# Altium PCB Pleiades_PP.PcbDoc (part 14 of 15) (continued)
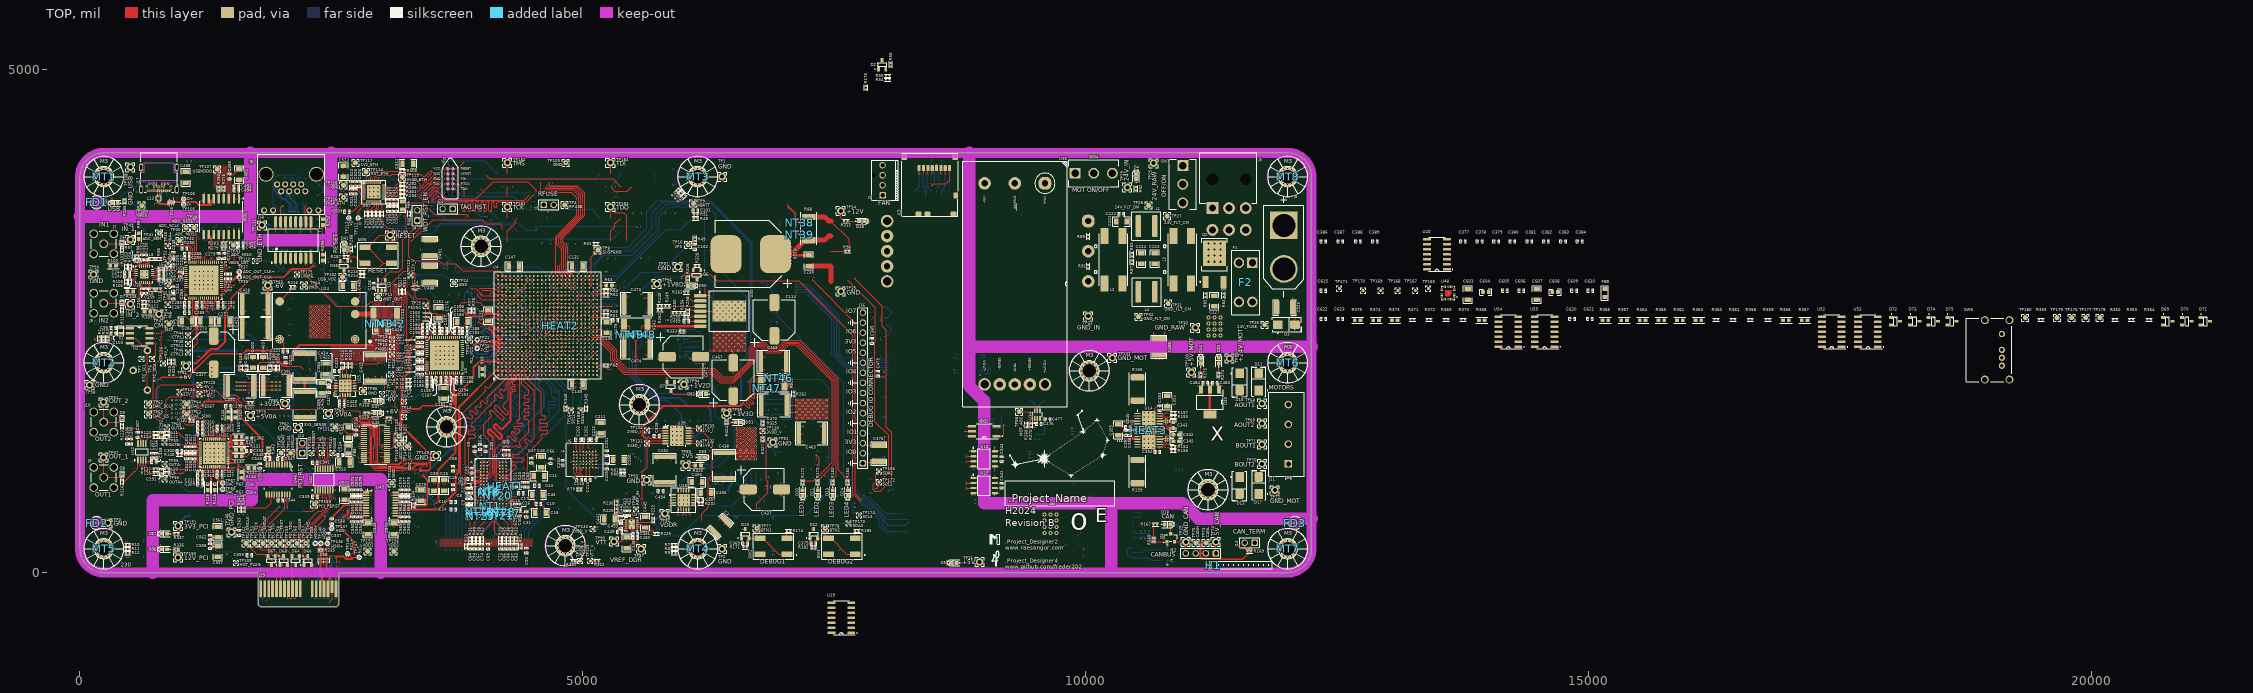
[diagram p0: TOP view]
## Nets (pads, with @x,y where several pads share a name; then routed paths per layer and width w, separated by ;. In a path a pad name is that pad's centre, name@x,y a point inside that pad or via, vN(x,y) a via of type N, cw(c..) or ccw(c..) an arc to the next point about the centre after c; other vN are vias at no path point) (continued)
SILENT: U4.AB21 U18.6 | length 5206.6
  TOP w6: v1(5985,2940) 6035,2990 6050,2990 6080,2960 6270,2960 6330,2900 7145,2900 7685,2360 7685,781.63 7758.85,707.77 7758.85,701.15 v1(7760,700)
  TOP w8.89: U4.AB21@4984.25,2751.97 v1(5003.94,2771.65)
  IN1 w6: v1(5003.94,2771.65) 5026.34,2771.65 5038.34,2759.65 5334.65,2759.65 5340,2765 v1(5565,2765)
  BOT w5: v1(7760,700) 7775,700 7945,530 7945,465 8025,385
  BOT w6: v1(5565,2765) 5565,2785 5720,2940 v1(5985,2940)
SMA_IN1_11: D6.1 J7.1 R99.1 R101.1 TP49.1 | length 437.6
  TOP w5.95: J7.1@236.22,3267.72 236.97,3266.96 419.25,3266.96 D6.1@420,3266.21 ; R101.1@420,3222.5 D6.1@420,3266.21 ; R99.1@585,3373.54 576.2,3364.74 554.74,3364.74 TP49.1@500,3310 456.21,3266.21 D6.1@420,3266.21
SMA_IN2_11: D7.1 J8.1 R108.1 R110.1 TP53.1 | length 447.3
  TOP w5.95: J8.1@236.22,2677.17 408.14,2677.17 414.09,2671.21 D7.1@420,2671.21 ; R110.1@420,2627.5 D7.1@420,2671.21 ; R108.1@528.54,2795 500,2766.46 TP53.1@500,2670 499.39,2670.61 420.61,2670.61 D7.1@420,2671.21
SMA_OUT1_12: D8.1 J9.1 R116.2 TP57.1 | length 445.5
  TOP w5.95: TP57.1@235,1145 235.61,1144.39 235.61,945.49 J9.1@236.22,944.88 393.68,944.88 R116.2@421.06,917.5 D8.1@421.06,966.21
SMA_OUT2_12: D9.1 J10.1 R123.2 TP61.1 | length 433.2
  TOP w5.95: TP61.1@235,1695 235.61,1694.39 235.61,1496.67 J10.1@236.22,1496.06 390.16,1496.06 ; R123.2@420,1471.29 395.23,1496.06 390.16,1496.06 ; D9.1@420,1520 414.09,1520 390.16,1496.06
SMCLK_PCI: TP144.1 U4.E10 U46.2 | length 2940.6
  TOP w6: TP144.1@2095,1190 2100.21,1195.21 2129,1195.21 2178.29,1244.5 2287.95,1244.5 2338.45,1295 2490,1295 v1(2500,1305)
  TOP w8.89: U4.E10@4314.96,2318.9 v1(4334.65,2299.21)
  TOP w10: U46.2@2059.57,1072.64 2059.57,1154.57 TP144.1@2095,1190
  IN2 w6: v1(2500,1305) 2701.49,1305 2737.05,1340.56 2737.05,1390.52 2807.44,1460.91 3006.1,1460.91 3105.2,1560 3141.35,1560 3441.35,1860 3491.44,1860 3643.51,2012.07 3643.51,2023.57 3724.55,2104.62 3724.55,2165.58 3830.97,2272 4008,2272 4020,2260 4186.6,2260 4206.6,2280 4315.43,2280 v1(4334.65,2299.21)
SMDAT_PCI: TP145.1 U4.F10 U46.3 | length 3019.5
  TOP w6: TP145.1@2000,1190 2145,1335 v1@2480,1335
  TOP w8.89: U4.F10@4354.33,2318.9 v1(4374.02,2299.21)
  TOP w10: TP145.1@2000,1190 2033.98,1156.02 U46.3@2033.98,1072.64
  IN2 w6: v1(2481.24,1333.76) 2660.73,1333.76 2811.97,1485 3000,1485 3192.68,1677.68 3237.68,1677.68 3610,2050 3610,2080 3811,2281 4001,2281 4031.21,2311.21 4362.02,2311.21 v1(4374.02,2299.21)
SR_13: R158.1 U14.16 U16.6 | length 2512.2
  TOP w10: U14.16@10735.24,1274.25 10760.83,1274.25 10790.8,1244.28 10818.22,1244.28 R158.1@10852.5,1210
  IN1 w10: 8455,1085 9810,1085 9870,1145 10035.06,1145 10210.91,1320.85 10253.41,1320.85 10304.25,1371.69 10370,1371.69 10431.69,1310 10555,1310 10590.75,1274.25 10664.25,1274.25
  other v1: 10804.51,1244.28
SR_ISO: U4.U5 U16.3 | length 3980.1
  TOP w5: v1(8810,1095) 8820,1105 U16.3@8883.7,1105
  TOP w8.89: v1(4767.72,2141.73) U4.U5@4787.4,2122.05
  IN1 w5: v1(4767.72,2141.73) 4830.19,2141.73 5006.93,1965 5640,1965 6187.69,1417.31 6697.69,1417.31 7100,1015 7335,1015 v1(7350,1000)
  IN2 w5: v1(7350,1000) 8035.32,1000 8130,1094.69
STBY: U4.AB22 U18.8 | length 5057.4
  TOP w8.89: U4.AB22@4984.25,2791.34 v1(5003.94,2811.02)
  IN1 w5: v1(5003.94,2811.02) 5027.46,2787.5 5632.5,2787.5 5671.5,2748.5 6062.19,2748.5 6193.69,2880 v1(6775,2880)
  BOT w5: v1(6775,2880) 6805,2880 6889.5,2795.5 6889.5,2595.5 7595.37,1889.63 7595.37,931.83 7775.73,751.47 7777.63,751.47 7779.09,750 7786.31,750 8000,536.31 8000,504.99 8033.49,471.5 8211.5,471.5 8245,505
STEP_13: U14.19 U17.7 | length 1487.7
  IN1 w10: 10115,1446.5 10231.38,1446.5 10243.29,1434.59 10309.79,1434.59 10321.7,1446.5 10335.84,1446.5 10405.89,1516.55 10601.55,1516.55 10640,1555 10870,1555 10885,1540 10885,1371.69 10864.33,1351.02 10821.19,1351.02 ; 10667.11,1351.02 10809.55,1351.02 ; 10809.57,1351 10821.17,1351
  IN2 w10: 8456.52,1379.89 8561.4,1275 8675,1275
STEP_ISO: U4.W10 U17.2 | length 4041.8
  TOP w8.89: U4.W10@4866.14,2318.9 v1(4885.83,2338.58)
  IN1 w5: v1(4885.83,2338.58) 4913.7,2310.71 5049.29,2310.71 5088.66,2271.34 5138.66,2271.34 5285,2125 5455,2125 5475,2145 5850,2145 6295,1700 6775,1700 7290,1185 v1(7365,1185)
  IN2 w5: v1(7365,1185) 7365,1120 7395,1090 7557.3,1090 7695,1227.7 7977.7,1227.7 8130,1380
  BOT w5: v1(8810,1115) 8820,1105 U17.2@8883.7,1105
SUSPEND: R52.2 TP8.1 U4.AD23 | length 477.1
  TOP w8.89: U4.AD23@5062.99,2830.71 v1(5082.68,2850.39) 5082.68,3137.68 5148.75,3203.75 TP8.1@5148.75,3206.25
  TOP w12: R52.2@5147.5,3270 5148.75,3268.75 5148.75,3206.25 TP8.1@5150,3205
TAG_CONN_EN_7: D71.2 R354.2 SW6.4 TP178.1 U52.4 U53.4 U54.4 U55.4
TAG_TCK_7: D73.2 J20.4 U54.5 | length 774.1
  TOP w10: v1(3627.5,3865) J20.4@3650,3865
  BOT w10: v1(3627.5,3865) 3611.76,3849.26 3611.76,3752.29 3659.05,3705 3970,3705 4150,3525
TAG_TDI_7: D75.2 J20.8 U53.5 | length 1485.7
  TOP w10: J20.8@3710,3915 v1(3732.5,3915)
  BOT w10: v1(3732.5,3915) 5125,3915 5175,3965
TAG_TDO_7: D74.2 J20.6 U55.6 | length 1585.1
  TOP w10: J20.6@3710,3815 v1(3732.5,3815)
  BOT w10: v1(3732.5,3815) 3807.5,3740 4315,3740 4442.5,3612.5 5087.5,3612.5 5175,3525
TAG_TMS_7: D72.2 J20.2 U52.5 | length 713.7
  TOP w10: v1(3627.5,3965) J20.2@3650,3965
  BOT w10: v1(3627.5,3965) 3627.5,3999.09 3617.09,4009.5 3617.09,4043.04 3669.74,4095.69 4019.31,4095.69 4150,3965
TCK_USB: M1.10 U54.9 | length 1718.8
  BOT w10: M1.10@2805,3212.64 2811.9,3219.54 2811.9,3276.9 2960,3425 3425,3425 3450,3450 3558.34,3450 3581.34,3473 4007,3473 4023,3457 4288,3457 4350,3395
TD_17_+: T1.1 U37.5 | length 1436.5
  TOP w10: T1.1@1945,3125.96 v1(1945,3207.8) ; v1(2758.48,3790) 2758.86,3789.62 2771.48,3789.62 2786.1,3775 U37.5@2825,3775
  IN2 w3.09: v1(1945,3207.8) 1954.35,3198.45 2013.87,3198.45 2020.05,3204.63 2020.05,3215.94 2042.06,3237.95 2527.77,3237.95 2590.91,3301.09 2590.91,3608 2750.95,3768.05 2756.75,3768.05 2774.32,3785.62 2774.32,3788.19 2772.51,3790 v1(2758.48,3790)
TD_17_-: T1.3 U37.4 | length 1328.2
  TOP w10: T1.3@2045,3125.96 v1(2045,3207.8) ; v1(2796.21,3797.37) 2794.25,3795.41 2794.25,3794.68 U37.4@2825,3794.68
  IN2 w3.09: v1(2045,3207.8) 2030.95,3207.8 2029.14,3209.61 2029.14,3212.17 2045.83,3228.86 2531.54,3228.86 2600,3297.32 2600,3604.24 2754.72,3758.96 2760.52,3758.96 2783.42,3781.86 2783.42,3788.19 2792.6,3797.37 v1(2796.21,3797.37)
TDCT_17: C505.1 T1.2 | length 146.2
  TOP w10: v1(1995,3044.13) T1.2@1995,3125.96
  BOT w10: v1(1995,3044.13) C505.1@1995,3108.46
TDI: R357.2 R363.2 R365.2 R367.2 TP184.1 U4.F20 | length 2346.6
  TOP w8.89: U4.F20@4354.33,2712.6 v1(4374.02,2692.91)
  TOP w12: 5275,3965 TP184.1@5275,4075
  IN2 w8.89: v1(4374.02,2692.91) 4395,2713.9 4395,3955 4470,4030 5210,4030 5275,3965
TDI_USB: M1.12 U53.9 | length 3039.9
  TOP w10: v1(3125,3282.5) 3245,3402.5 3245,3620 3300,3675 3405,3675 3520,3560 3840,3560 v1(3870,3530) ; v1(4030,3960) 4075,3915 5295,3915 5375,3835
  IN2 w10: v1(3870,3530) 3920,3530 4030,3640 v1(4030,3960)
  BOT w10: M1.12@3125,3260 v1(3125,3282.5)
TDO_USB: M1.11 U55.8 | length 2604.8
  BOT w10: M1.11@2967.52,3212.64 3007.8,3252.91 3007.8,3262.8 3045,3300 3115,3300 3190,3375 3501.73,3375 3586.73,3460 3990,3460 4130,3320 5300,3320 5375,3395
TMS_USB: M1.13 U52.9 | length 1571.8
  TOP w10: v1(3285,3282.5) 3510.15,3507.65 3997.35,3507.65 4035,3470 4180,3470 4200,3450 v1(4200,3415)
  IN2 w10: v1(4200,3415) 4200,3685 4350,3835
  BOT w10: M1.13@3285,3260 v1(3285,3282.5)
TX_17_+: D42.4 D42.7 J18.3 T1.16 | length 749.6
  TOP w10: v1(1945,3385) T1.16@1945,3485.96
  IN2 w3.09: v1(1945,3385) 1988.64,3385 1990.45,3386.81 1990.45,3393.14 2144.98,3547.67 2144.98,3566.06 2147.77,3568.85 2147.77,3575.73 2140.31,3583.19 v1(2140.31,3585)
  BOT w4.33: J18.3@2040,3860 2040,3777.44 2057.03,3760.42 2057.03,3756.83 2054.36,3754.17 2054.36,3742.86 2065.42,3731.8 2077.08,3731.8 2144.86,3664.01 2144.86,3655.26 2139.68,3650.08 D42.4@2139.68,3645.16 2139.68,3640.24 2144.86,3635.06 2144.86,3624.94 2139.68,3619.76 D42.7@2139.68,3614.84
  BOT w10: D42.7@2139.68,3614.84 2139.68,3606.69 2142.47,3603.9 2142.47,3588.57 2140.31,3586.41 v1(2140.31,3585)
TX_17_-: D42.5 D42.6 J18.6 T1.14 | length 744.5
  TOP w10: v1(2045,3385) T1.14@2045,3485.96
  IN2 w3.09: v1(2045,3385) 2001.36,3385 1999.55,3386.81 1999.55,3389.38 2154.07,3543.9 2154.07,3562.29 2156.86,3565.08 2156.86,3575.73 2164.31,3583.19 v1(2164.31,3585)
  BOT w4.33: D42.6@2159.37,3614.84 2159.37,3619.76 2154.19,3624.94 2154.19,3635.06 2159.37,3640.24 D42.5@2159.37,3645.16 2159.37,3650.08 2154.19,3655.26 2154.19,3667.88 2080.94,3741.13 2069.28,3741.13 2063.69,3746.72 2063.69,3750.3 2066.22,3752.84 2122.84,3752.84 J18.6@2160,3790
  BOT w10: D42.6@2159.37,3614.84 2160.28,3613.94 2162.16,3612.06 2162.16,3587.16 v1(2164.31,3585)
TXC: U4.W26 U37.22 | length 3611.8
  TOP w5.95: v1(4630.66,3835.66) 4640,3826.31 4640,3825 4645.86,3819.14 4914.14,3819.14 4980,3753.28 4980,3550 4760,3330 4760,3273.28 4810,3223.28 4810,3004.96 U4.W26@4866.14,2948.82
  TOP w10: U37.22@3017.91,3814.37 3054.27,3814.37 3056.96,3811.68 v1(3057.5,3811.68)
  IN1 w3.68: v1(3366.06,3861.06) 3527.12,3700 3791.06,3700 3978.03,3886.97 4471.97,3886.97 4523.28,3835.66 v1(4630.66,3835.66)
  BOT w5.95: v1(3057.5,3811.68) 3055.86,3811.68 3054.18,3810 3041.89,3810 3000,3768.11 3000,3610 3027.48,3582.52 3242.52,3582.52 3275,3615 3275,3770 v1(3366.06,3861.06)
TXCT_17: R305.1 T1.15 | length 193.9
  TOP w10: T1.15@1995,3485.96 1995,3624.65 v1(2017.85,3647.5)
  BOT w10: R305.1@1995,3647.5 v1(2017.85,3647.5)
TXD: U4.AF25 U18.7 | length 5225.4
  TOP w8.89: U4.AF25@5141.73,2909.45 v1(5161.42,2929.13) ; v1(7275,2915) 7710,2480 7710,785 v1(7765,730)
  IN1 w8.89: v1(5161.42,2929.13) 5415.87,2929.13 5505.45,2839.55 6029.55,2839.55 6090,2900 6145.94,2900 6160.94,2915 v1(7275,2915)
  BOT w5: v1(7765,730) 7775,730 7980,525 7980,464.99 8034.99,410 8070,410 8225,410
TXD0: U4.T24 U37.24 | length 3524
  TOP w8.89: U4.T24@4748.03,2870.08 v1(4767.72,2889.76)
  TOP w10: U37.24@3017.91,3853.74 3050.04,3853.74 3054.46,3858.16 v1(3055,3858.16)
  IN1 w3.68: v1(3055,3858.16) 3226.84,3858.16 v1(3315,3770) ; v1(4020,3560) 4030,3570 4585,3570 v1(4610,3545)
  IN2 w3.68: v1(4610,3545) 4610,3280 4815,3075 4815,2961.09 4767.72,2913.81 v1(4767.72,2889.76)
  BOT w5.95: v1(3315,3770) 3348.74,3736.26 3355.22,3729.78 ccw(c3363.69,3738.25) 3375.67,3738.25 3375.67,3800.66 cw(c3387.65,3800.66) 3399.62,3800.66 3399.62,3700.93 ccw(c3411.6,3700.93) 3423.58,3700.93 3423.58,3800.66 cw(c3435.56,3800.66) 3447.53,3800.66 3447.53,3700.93 ccw(c3459.51,3700.93) 3471.49,3700.93 3471.49,3800.66 cw(c3483.47,3800.66) 3495.44,3800.66 3495.44,3700.93 ccw(c3507.42,3700.93) 3519.4,3700.93 3519.4,3800.66 cw(c3531.37,3800.66) 3543.35,3800.66 3543.35,3700.93 ccw(c3555.33,3700.93) 3567.31,3700.93 3567.31,3764.02 cw(c3579.28,3764.02) 3591.26,3764.02 3591.26,3706 ccw(c3603.24,3706) 3603.24,3694.02 3619.5,3694.02 3885.98,3694.02 v1(4020,3560)
TXD1: U4.T26 U37.25 | length 3688.9
  TOP w5.95: v1(4580,3890) 4580,3800 4600,3780 4885,3780 4940,3725 4940,3550 4730,3340 4730,2966.85 U4.T26@4748.03,2948.82
  TOP w10: U37.25@2990.35,3881.3 2990.35,3891.97 2999.62,3901.23 2999.62,3914.62 v1(3000,3915)
  IN1 w3.68: v1(3000,3915) 3000.84,3914.16 3204.92,3914.16 3209.44,3909.65 3409.65,3909.65 3431.66,3931.66 3581.99,3931.66 3616.66,3966.33 3616.66,3983.89 3657.77,4025 3720,4025 3745.52,4025 cw(c3745.52,4013.16) 3757.35,4013.16 3757.35,3981.23 ccw(c3769.19,3981.23) 3781.03,3981.23 3781.03,4018.96 cw(c3792.87,4018.96) 3804.71,4018.96 3804.71,3981.23 ccw(c3816.55,3981.23) 3828.38,3981.23 3828.38,4018.96 cw(c3840.22,4018.96) 3852.06,4018.96 3852.06,3981.23 ccw(c3863.9,3981.23) 3875.74,3981.23 3875.74,4018.96 cw(c3887.58,4018.96) 3899.41,4018.96 3899.41,3981.23 ccw(c3911.25,3981.23) 3923.09,3981.23 3923.09,4018.96 cw(c3934.93,4018.96) 3946.77,4018.96 3946.77,3981.23 ccw(c3958.6,3981.23) 3970.44,3981.23 3970.44,4018.96 cw(c3982.28,4018.96) 3994.12,4018.96 3994.12,3981.23 ccw(c4005.96,3981.23) 4017.8,3981.23 4017.8,4013.16 cw(c4029.63,4013.16) 4029.63,4025 4065,4025 4445,4025 v1(4580,3890)
TXD2: U4.Y24 U37.26 | length 3624.5
  TOP w8.89: U4.Y24@4905.51,2870.08 v1(4925.2,2889.76)
  TOP w10: U37.26@2970.67,3881.3 2970.67,3923.29 2972.34,3924.96 v1(2972.34,3925.5)
  IN1 w3.68: v1(2972.34,3925.5) 3006.84,3960 3055,3960 3056.84,3960 ccw(c3056.84,3971.84) 3068.68,3971.84 3068.68,3988.16 cw(c3080.52,3988.16) 3092.35,3988.16 3092.35,3932.68 ccw(c3104.19,3932.68) 3116.03,3932.68 3116.03,3988.16 cw(c3127.87,3988.16) 3139.71,3988.16 3139.71,3948.91 ccw(c3151.55,3948.91) 3163.38,3948.91 3163.38,3988.16 cw(c3175.22,3988.16) 3187.06,3988.16 3187.06,3932.68 ccw(c3198.9,3932.68) 3210.74,3932.68 3210.74,3978.42 cw(c3222.58,3978.42) 3234.41,3978.42 3234.41,3931.84 ccw(c3246.25,3931.84) 3258.09,3931.84 3258.09,3988.16 cw(c3269.93,3988.16) 3281.77,3988.16 3281.77,3942.01 ccw(c3293.6,3942.01) 3305.44,3942.01 3305.44,3948.16 cw(c3317.28,3948.16) 3317.28,3960 3373.68,3960 3379.91,3960 3466.66,4046.75 3638.58,4046.75 3647.85,4037.48 4455.02,4037.48 4492.5,4000 v1(4550,4000)
  IN2 w3.68: v1(4550,4000) 4595,4000 4916.35,3678.65 4916.35,2965.56 4914.36,2963.57 4914.36,2924.64 4925.2,2913.81 v1(4925.2,2889.76)
TXD3: U4.Y26 U37.27 | length 3701.4
  TOP w5.95: v1(4664.6,3869.6) 4664.6,3856.97 4674.14,3847.43 4942.43,3847.43 5020,3769.85 5020,3550 4800,3330 4800,3289.85 4850,3239.85 4850,3004.33 U4.Y26@4905.51,2948.82
  TOP w10: v1(2949.03,3919.76) 2949.03,3919.22 2950.98,3917.27 U37.27@2950.98,3881.3
  IN1 w3.68: v1(2949.03,3919.76) 2949.03,3918.57 2958.7,3908.9 2958.7,3901.93 2965.63,3895 3470,3895 3572.48,3792.52 3727.52,3792.52 3855.91,3920.91 4028.31,3920.91 ccw(c4028.31,3932.75) 4040.14,3932.75 4040.14,3937.2 cw(c4051.98,3937.2) 4063.82,3937.2 4063.82,3922.46 ccw(c4075.66,3922.46) 4087.5,3922.46 4087.5,3949.07 cw(c4099.34,3949.07) 4111.17,3949.07 4111.17,3922.46 ccw(c4123.01,3922.46) 4134.85,3922.46 4134.85,3923.32 cw(c4146.69,3923.32) 4158.53,3923.32 4158.53,3922.46 ccw(c4170.37,3922.46) 4182.2,3922.46 4182.2,3942.32 cw(c4194.04,3942.32) 4205.88,3942.32 4205.88,3922.46 ccw(c4217.72,3922.46) 4229.56,3922.46 4229.56,3923.32 cw(c4241.4,3923.32) 4253.23,3923.32 4253.23,3922.46 ccw(c4265.07,3922.46) 4276.91,3922.46 4276.91,3937.87 cw(c4288.75,3937.87) 4300.59,3937.87 4300.59,3922.46 ccw(c4312.43,3922.46) 4324.26,3922.46 4324.26,3923.32 cw(c4336.1,3923.32) 4347.94,3923.32 4347.94,3922.46 ccw(c4359.78,3922.46) 4371.62,3922.46 4371.62,3932.58 cw(c4383.45,3932.58) 4395.29,3932.58 4395.29,3922.46 ccw(c4407.13,3922.46) 4418.97,3922.46 4418.97,3949.07 cw(c4430.81,3949.07) 4442.65,3949.07 4442.65,3932.75 ccw(c4454.48,3932.75) 4454.48,3920.91 4480,3920.91 4505.91,3920.91 4557.23,3869.6 v1(4664.6,3869.6)
TXEN: U4.V24 U37.23 | length 3523.9
  TOP w8.89: U4.V24@4826.77,2870.08 v1(4846.46,2889.76)
  TOP w10: U37.23@3017.91,3834.06 3048.51,3834.06 3049.2,3834.74 v1(3049.74,3834.74)
  IN1 w3.68: v1(3049.74,3834.74) 3057.38,3834.74 3077.9,3834.74 cw(c3077.9,3825.41) 3087.24,3825.41 3087.24,3684.39 ccw(c3096.58,3684.39) 3105.91,3684.39 3105.91,3842.15 cw(c3115.25,3842.15) 3124.59,3842.15 3124.59,3750.18 ccw(c3133.93,3750.18) 3143.27,3750.18 3143.27,3842.15 cw(c3152.61,3842.15) 3161.94,3842.15 3161.94,3684.39 ccw(c3171.28,3684.39) 3180.62,3684.39 3180.62,3842.15 cw(c3189.96,3842.15) 3199.3,3842.15 3199.3,3763.05 ccw(c3208.63,3763.05) 3217.97,3763.05 3217.97,3809.48 cw(c3227.31,3809.48) 3233.91,3816.09 3269.23,3780.77 v1(3310,3740) ; v1(4040,3540) 4060,3560 4415,3560 4445,3530 v1(4630,3530)
  IN2 w3.68: v1(4630,3530) 4630,3285 4857.3,3057.7 4857.3,2917.11 4846.46,2906.27 v1(4846.46,2889.76)
  BOT w5.95: v1(3310,3740) 3370,3680 3840,3680 3980,3540 v1(4040,3540)
TXENABLE: U4.N6 U11.30 | length 6189
  TOP w5: v1(2730,1525) 2766.31,1525 2791.31,1500 2867.68,1500 2932,1435.68 2932,1263.99 2920,1251.99 2920,1105 2970,1055 3210,1055 3240.5,1085.5 3444.5,1085.5 v1(3465,1065)
  TOP w8.89: U4.N6@4629.92,2161.42 4629.92,2155.35 v1(4652.85,2132.43)
  TOP w10: U11.30@1344.84,1327.52 1344.84,1404.58 1345,1404.74 v1(1345,1430)
  IN1 w5: v1(3465,1065) 3485,1065 3810,740 3810,705 3870,645 3870,598.74 4042.7,426.04 4601.04,426.04 4967.76,792.76 4967.76,1121.36 4944.76,1144.36 4944.76,1174.76 4952.01,1182.01 4952.01,1497.99 4943.5,1506.5 4943.5,1696.5 4880,1760 4880,1927.6 4716.74,2090.86 4684.21,2090.86 4652.85,2122.23 v1(4652.85,2132.43)
  IN2 w5: v1(1345,1430) 1940,1430 2035,1525 v1(2730,1525)
TXER: U4.V26 U37.31 | length 3701.3
  TOP w5.95: v1(4613.69,3818.69) 4626.31,3818.69 4640,3805 4900,3805 4960,3745 4960,3550 4740,3330 4740,3265 4790,3215 4790,3000 4826.77,2963.23 U4.V26@4826.77,2948.82
  TOP w10: U37.31@2872.24,3881.3 2872.24,3911.7 2874.93,3914.39 v1(2874.93,3914.93)
  IN1 w3.68: v1(2874.93,3914.93) 2872.24,3912.24 2872.24,3887.76 2885,3875 3318.18,3875 3371.59,3821.59 3372.89,3820.29 3404.43,3788.74 cw(c3396.06,3780.37) 3404.43,3772 3362.17,3729.74 ccw(c3370.54,3721.37) 3362.17,3713 ccw(c3370.54,3721.37) 3378.91,3713 3433.42,3767.51 ; 3433.42,3767.51 cw(c3441.79,3759.14) 3450.17,3767.51 cw(c3441.79,3759.14) 3450.17,3750.77 3396.19,3696.79 ccw(c3404.56,3688.42) 3396.19,3680.05 ccw(c3404.56,3688.42) 3412.93,3680.05 3466.91,3734.03 cw(c3475.28,3725.66) 3483.65,3734.03 cw(c3475.28,3725.66) 3483.65,3717.28 3463.15,3696.79 ccw(c3471.52,3688.42) 3463.15,3680.05 ccw(c3471.52,3688.42) 3479.9,3680.05 3488.14,3688.29 cw(c3496.51,3679.92) 3504.88,3688.29 3506.18,3686.99 3508.18,3685 3810,3685 3999.34,3874.34 4450.66,3874.34 4506.31,3818.69 v1(4613.69,3818.69)
UD_16_+: D35.5 ISO2.7 L13.2 TP106.1 | length 671.1
  TOP w5.51: L13.2@795.83,3695.39 795.83,3687.39 790.25,3681.82 790.25,3673.14 793.48,3669.91 865.77,3669.91 879.4,3683.54 896.51,3683.54 899.74,3686.77 899.74,3699.09 ; D35.5@890.32,3711.57 890.32,3708.62 906.79,3692.15 919.13,3692.15 1026.92,3692.16 1030.15,3695.38 ; TP106.1@1030.15,3714.4 1030.15,3695.38 ; ISO2.7@1280,3716.5 1280,3716.18 1288.25,3707.93 1296.52,3707.93 1299.75,3704.7 1299.75,3668.3 1294.42,3662.98 1182.13,3662.98 1152.95,3692.16 1033.37,3692.16 1030.15,3695.38
UD_16_-: D35.3 ISO2.6 L13.3 TP105.1 | length 747.4
  TOP w5.51: v1(740,3665) 770.93,3684.15 L13.3@774.17,3691.39 ; L13.3@774.17,3695.39 L13.3@774.17,3691.39 ; 920.21,3670.85 913.21,3677.85 905.68,3677.85 900.86,3673.04 883.76,3673.04 870.12,3659.4 789.13,3659.4 779.75,3668.78 779.75,3681.82 774.17,3687.39 L13.3@774.17,3691.39 ; D35.3@929.69,3658.43 929.69,3661.49 920.26,3670.91 920.26,3678.42 923.49,3681.65 1026.92,3681.65 1030.15,3678.42 ; TP105.1@1030.15,3659.4 1030.15,3678.42 ; ISO2.6@1330,3716.5 1330,3716.18 1321.75,3707.93 1313.48,3707.93 1310.25,3704.7 1310.25,3663.95 1298.78,3652.48 1177.78,3652.48 1148.6,3681.65 1033.37,3681.65 1030.15,3678.42
UDM: NT14.2 U1.D3 U4.J4 | length 2887.5
  TOP w8.89: U1.D3@4047.24,1000 v1(4062.99,1015.75) ; U4.J4@4472.44,2082.68 v1(4492.13,2062.99)
  IN2 w5.75: v1(4062.99,1015.75) 4137.86,1090.62 4207.3,1090.62 4245.62,1090.62 4263.23,1108.23 cw(c4274.82,1096.65) 4286.4,1108.23 4311.09,1083.55 ccw(c4322.67,1095.13) 4334.25,1083.55 ccw(c4322.67,1095.13) 4334.25,1106.71 4251.66,1189.29 cw(c4263.24,1200.87) 4251.66,1212.45 cw(c4263.24,1200.87) 4274.82,1212.45 4357.41,1129.87 ccw(c4368.99,1141.45) 4380.57,1129.87 ccw(c4368.99,1141.45) 4380.57,1153.03 4297.98,1235.61 cw(c4309.56,1247.2) 4297.98,1258.78 cw(c4309.56,1247.2) 4321.14,1258.78 4403.73,1176.19 ccw(c4415.31,1187.77) 4426.89,1176.19 ccw(c4415.31,1187.77) 4426.89,1199.35 4344.3,1281.94 cw(c4355.88,1293.52) 4344.3,1305.1 cw(c4355.88,1293.52) 4367.47,1305.1 4450.05,1222.51 ccw(c4461.63,1234.09) 4473.21,1222.51 ccw(c4461.63,1234.09) 4473.21,1245.67 4390.63,1328.26 cw(c4402.21,1339.84) 4390.63,1351.42 cw(c4402.21,1339.84) 4413.79,1351.42 4496.37,1268.83 ccw(c4507.95,1280.41) 4519.53,1268.83 ccw(c4507.95,1280.41) 4519.53,1291.99 4436.95,1374.58 cw(c4448.53,1386.16) 4436.95,1397.74 cw(c4448.53,1386.16) 4460.11,1397.74 4527.51,1330.34 ccw(c4539.09,1341.92) 4550.67,1330.34 ccw(c4539.09,1341.92) 4550.67,1353.5 4500.06,1404.11 cw(c4511.64,1415.69) 4500.06,1427.27 cw(c4511.64,1415.69) 4523.22,1427.27 ; v1(4492.13,2062.99) 4551.18,2003.94 4551.18,1476.97 4551.18,1438.85 cw(c4534.8,1438.85) 4523.22,1427.27
  BOT w8.89: v1(4062.99,1015.75) NT14.2@4074.02,1004.72
UDQS_N: U1.C7 U4.L1 | length 1575.6
  TOP w8.89: v1(4157.48,1047.24) U1.C7@4173.23,1031.5 ; U4.L1@4551.18,1964.57 v1(4570.87,1984.25)
  BOT w7.01: v1(4157.48,1047.24) 4158.43,1048.2 4158.43,1057.76 4173.47,1072.8 4173.47,1087.3 4189.22,1103.05 4189.22,1212.23 4198.92,1221.92 4205.65,1228.65 ccw(c4187.6,1246.7) 4205.65,1264.75 4198.87,1271.53 cw(c4208.42,1281.08) 4198.87,1290.63 cw(c4208.42,1281.08) 4217.97,1290.63 4260.53,1248.07 ccw(c4278.57,1266.12) 4296.57,1248.02 4296.62,1248.07 ccw(c4278.57,1266.12) 4296.62,1284.17 4254.06,1326.72 cw(c4263.61,1336.27) 4254.06,1345.83 cw(c4263.61,1336.27) 4273.16,1345.83 4311.93,1307.06 ccw(c4329.98,1325.11) 4347.98,1307.01 4348.02,1307.06 ccw(c4329.98,1325.11) 4348.02,1343.16 4316.04,1375.14 cw(c4325.59,1384.69) 4316.04,1394.24 cw(c4325.59,1384.69) 4335.12,1394.26 ccw(c4353.19,1412.29) 4371.28,1394.29 4427.23,1450.24 4623,1646.01 4623,1769 4632,1778 4632,1786.61 4615.96,1802.65 4569.2,1849.41 4567.37,1851.24 4567.37,1923.71 4567.37,1979.41 4570.87,1982.9 v1(4570.87,1984.25)
UDQS_P: U1.B7 U4.L2 | length 1576
  TOP w8.89: v1(4157.48,1078.74) U1.B7@4173.23,1062.99 ; U4.L2@4551.18,2003.94 v1(4570.87,2023.62)
  BOT w7.01: v1(4157.48,1078.74) 4157.48,1080.09 4161.45,1084.06 4161.45,1092.28 4177.2,1108.03 4177.2,1217.2 4190.42,1230.42 4197.15,1237.15 ccw(c4187.6,1246.7) 4197.15,1256.25 4190.37,1263.03 cw(c4208.42,1281.08) 4190.32,1299.08 4190.37,1299.13 cw(c4208.42,1281.08) 4226.46,1299.13 4269.02,1256.57 ccw(c4278.57,1266.12) 4288.12,1256.57 ccw(c4278.57,1266.12) 4288.12,1275.67 4245.57,1318.23 cw(c4263.61,1336.27) 4245.52,1354.27 4245.57,1354.32 cw(c4263.61,1336.27) 4281.66,1354.32 4320.43,1315.56 ccw(c4329.98,1325.11) 4339.53,1315.56 ccw(c4329.98,1325.11) 4339.53,1334.66 4307.54,1366.65 cw(c4325.59,1384.69) 4307.49,1402.69 4307.54,1402.74 cw(c4325.59,1384.69) 4343.64,1402.74 ccw(c4353.19,1412.29) 4362.74,1402.74 4418.73,1458.73 4610.99,1650.99 4610.99,1790.64 4555.36,1846.26 4555.36,1990.68 4570.87,2006.18 v1(4570.87,2023.62)
USB_CTS: M1.3 U4.G20 | length 2131.7
  TOP w8.89: U4.G20@4393.7,2712.6 v1(4413.39,2692.91)
  IN2 w6: v1(2960,2860) 3085,2860 3134,2909 3541,2909 3582,2868 4082,2868 4205.72,2744.28 4224.22,2744.28 4257.1,2711.4 4296.79,2711.4 4333.28,2674.91 4395.39,2674.91 v1(4413.39,2692.91)
  BOT w6: v1(2960,2860) 2960,2791.29 2996.29,2755 3021.57,2755 3125,2651.57 M1.3@3125,2417.36
USB_GND: C492.2 C493.2 C494.2 C498.2 C499.2 C501.1 D35.4 D37.2 D38.1 D39.1 D40.2 ISO2.2 ISO2.8 ISO3.2 J17.A1 J17.A12 J17.B1 J17.B12 J17.SH1 J17.SH2 J17.SH3 J17.SH4 R289.2 R290.2 TP108.1 | length 894.2
  TOP w10: D40.2@319.03,3673.31 v1(319.03,3722.26) ; v1(653.96,3796) J17.A12@676.46,3796 ; J17.A1@893,3796 v1(908.91,3811.91) ; D35.4@929.69,3711.57 v1(929.69,3734.43) ; v1@1000.11,3970 C498.2@1040,3970 ; C498.2@1075,3970 v1@1114.89,3970 ; ISO2.8@1230,3755 v1(1230,3777.85) ; v1(1490,3980) C499.2@1490,3957.5 1521.5,3957.5 1575,4011 C492.2@1585,4011 ; v1(1515,3800) C494.2@1537.5,3800 ; v1(1515,3840) C493.2@1537.5,3840 ; ISO2.2@1530,3716.5 v1(1552.5,3716.5) ; C492.2@1582.5,4023.51 v1(1582.5,4046.36)
  BOT w10: v1(394,3640.5) D39.1@394,3663 ; v1(525,3692.5) 525,3670.22 567.72,3627.5 C501.1@592.28,3627.5 ; R290.2@542.5,3785 v1(565,3785) ; C501.1@580,3621 612.64,3621 635,3643.36 v1(635,3693.44) ; v1(860,3637.15) D38.1@860,3660 ; R289.2@902.5,3785 902.5,3805.13 908.91,3811.54 v1(908.91,3811.91) ; v1@904.81,3816.55 J17.B12@904.81,3839.7 ; D37.2@1065,4055 v1@1065,4094.89 ; D37.2@1105,4055 v1@1105,4094.89 ; ISO3.2@1455,3640 v1(1477.85,3640)
  other v1: 999.73,3969.62 1115.27,3970.38 1065.38,4095.27 1105.38,4095.27
USB_JTAG_EN_7: D70.2 R352.2 SW6.1 TP177.1 U52.10 U53.10 U54.10 U55.10
USB_RTS: M1.4 U4.G21 | length 2211.9
  TOP w8.89: U4.G21@4393.7,2751.97 v1(4413.39,2732.28)
  IN2 w6: v1(2890,2785) 3045,2785 3160,2900 3515,2900 3560,2855 4072.25,2855 4255.25,2672 4309.3,2672 4339.76,2641.54 4412.81,2641.54 4430,2658.74 4430,2715.67 v1(4413.39,2732.28)
  BOT w6: v1(2890,2785) 2970,2705 2970,2571.59 2967.52,2569.11 M1.4@2967.52,2417.36
USB_RX: M1.5 U4.A23 | length 1809.3
  TOP w8.89: v1(4110,2875) 4110.59,2874.41 4113.78,2874.41 U4.A23@4157.48,2830.71
  IN2 w6: v1(2860,2840) 2895,2840 2949,2894 3089,2894 3113,2918 4067,2918 v1(4110,2875)
  BOT w6: M1.5@2810.04,2417.36 2810.04,2710.14 2860,2760.1 v1(2860,2840)
USB_TX: M1.6 U4.B23 | length 1808.5
  TOP w8.89: U4.B23@4196.85,2830.71 v1(4216.54,2850.39)
  IN2 w6: v1(2835,2845) 2905,2915 2997.5,2915 3017.5,2935 4109.53,2935 4194.14,2850.39 v1(4216.54,2850.39)
  BOT w6: M1.6@2702.76,2578.78 2712.6,2578.78 2754.87,2621.06 2754.87,2679.5 2835,2759.63 v1(2835,2845)
USBVDDO_16: C499.1 ISO2.3 R278.1 R280.1 TP107.1
USM0_13: U14.13 U15.7 | length 2080
  IN1 w10: 8455,909.37 8535.63,909.37 8570,875 10064.77,875 10250.91,1061.14 10250.91,1233.93 10265,1248.02
USM0_ISO: U4.U8 U15.2 | length 4088.9
  TOP w5: v1(8810,880) 8820,890 U15.2@8883.7,890
  TOP w8.89: U4.U8@4787.4,2240.16 v1(4807.09,2259.84)
  IN1 w5: v1(4807.09,2259.84) 4857.96,2208.97 4916.03,2208.97 5089.88,2035.12 5166.18,2035.12 5166.3,2035 5675,2035 6175,1535 6795,1535 7001.5,1328.5 7001.5,1298.5 7225,1075 v1(7295,1075)
  IN2 w5: v1(7295,1075) 7295,1010 7416.71,888.29 8016.1,888.29 8024.31,896.5 8134.76,896.5 8141.58,889.68 8160.32,889.68
USM1_13: U14.12 U15.6 | length 2217.7
  IN1 w10: 8455,819.37 10136.87,819.37 10288.93,971.43 10288.93,1292.25